# KiCad board poly_kb_molecule_16x5.kicad_pcb (continued)
## Routing (per net, layer and track width the routed paths; a pad name or vN(x,y) marks a point on that pad's centre or on a via; arc(x,y) is an arc through that point) (continued)
  Bottom w1.5: J6#40.6 J5#73.6 ; J6#53.6 J5#12.6 ; J6#31.6 J5#22.6 ; J6#18.6 J5#74.6 ; J6#42.6 J5#64.6 ; J6#24.6 J5#63.6 ; J6#61.6 J5#14.6 ; J6#69.6 J5#13.6 ; J6#13.6 J5#44.6 ; J6#10.6 J5#66.6 ; J6#11.6 J5#26.6 ; J6#7.6 J5#35.6 ; J6#36.6 J5#17.6 ; J6#14.6 J5#42.6 ; J6#58.6 J5#55.6 ; J6#57.6 J5#6.6 ; J6#46.6 J5#39.6 ; J6#2.6 J5#24.6 ; J6.6 J5#65.6 ; J6#4.6 J5#51.6 ; J6#65.6 J5#32.6 ; J6#22.6 J5#47.6 ; J6#20.6 J5#8.6 ; J6#41.6 J5#75.6 ; J6#23.6 J5#29.6 ; J6#37.6 J5#79.6 ; J6#30.6 J5#59.6 ; J6#51.6 J5#50.6 ; J6#74.6 J5#77.6 ; J6#56.6 J5#9.6 ; J6#66.6 J5#28.6 ; J6#35.6 J5#61.6 ; J6#54.6 J5#20.6 ; J6#6.6 J5#3.6 ; J6#25.6 J5#48.6 ; J6#17.6 J5#70.6 ; J6#50.6 J5#54.6 ; J6#67.6 J5#16.6 ; J6#16.6 J5#2.6 ; J6#45.6 J5#36.6 ; J6#68.6 J5#76.6 ; J6#3.6 J5#69.6 ; J6#55.6 J5#11.6 ; J6#38.6 J5#45.6 ; J6#49.6 J5#78.6 ; J6#12.6 J5#80.6 ; J6#28.6 J5#10.6 ; J6#63.6 J5#71.6 ; J6#59.6 J5#21.6 ; J6#19.6 J5#43.6 ; J6#62.6 J5#68.6 ; J6#32.6 J5#19.6 ; J6#26.6 J5#46.6 ; J6#43.6 J5#7.6 ; J6#44.6 J5#56.6 ; J6#39.6 J5#49.6 ; J6#27.6 J5#23.6 ; J6#29.6 J5#41.6 ; J6#72.6 J5#62.6 ; J6#33.6 J5#18.6 ; J6#48.6 J5#31.6 ; J6#71.6 J5#33.6 ; J6#75.6 J5#38.6 ; J6#73.6 J5#30.6 ; J6#52.6 J5#58.6 ; J6#5.6 J5#60.6 ; J6#47.6 J5#37.6 ; J6#60.6 J5#52.6 ; J6#70.6 J5#27.6 ; J6#64.6 J5#15.6
CS6: length 1679.9
  Top w0.254: v1(61.33,61.59) 61.26,61.67 59.83,61.67 v1(59.65,61.85) ; v1(175.63,23.49) 175.56,23.57 174.13,23.57 v1(173.95,23.75) ; v1(80.38,4.44) 80.31,4.52 78.88,4.52 v1(78.7,4.7) ; v1(175.63,61.59) 175.56,61.67 174.13,61.67 v1(173.95,61.85) ; v1(80.38,61.59) 80.31,61.67 78.88,61.67 v1(78.7,61.85) ; v1(23.23,80.64) 23.16,80.72 21.73,80.72 v1(21.55,80.9) ; v1(154.9,42.8) 155.08,42.62 156.51,42.62 v1(156.58,42.55) ; v1(59.65,80.9) 59.83,80.72 61.26,80.72 v1(61.33,80.64) ; v1(97.75,4.7) 97.93,4.52 99.36,4.52 v1(99.43,4.44) ; v1(231.1,4.7) 231.28,4.52 232.71,4.52 v1(232.78,4.44) ; v1(213.73,61.59) 213.66,61.67 212.23,61.67 v1(212.05,61.85) ; v1(116.8,42.8) 116.98,42.62 118.41,42.62 v1(118.48,42.55) ; v1(288.25,80.9) 288.43,80.72 289.86,80.72 v1(289.93,80.64) ; v1(270.88,61.59) 270.81,61.67 269.38,61.67 v1(269.2,61.85) ; v1(42.28,61.59) 42.21,61.67 40.78,61.67 v1(40.6,61.85) ; v1(21.55,23.75) 21.73,23.57 23.16,23.57 v1(23.23,23.49) ; v1(61.33,42.55) 61.26,42.62 59.83,42.62 v1(59.65,42.8) ; v1(40.6,4.7) 40.78,4.52 42.21,4.52 v1(42.28,4.44) ; v1(2.5,4.7) 2.68,4.52 4.11,4.52 v1(4.18,4.44) ; v1(250.15,23.75) 250.33,23.57 251.76,23.57 v1(251.83,23.49) ; v1(61.33,23.49) 61.26,23.57 59.83,23.57 v1(59.65,23.75) ; v1(154.9,4.7) 155.08,4.52 156.51,4.52 v1(156.58,4.44) ; v1(288.25,61.85) 288.43,61.67 289.86,61.67 v1(289.93,61.59) ; v1(251.83,42.55) 251.76,42.62 250.33,42.62 v1(250.15,42.8) ; v1(288.25,23.75) 288.43,23.57 289.86,23.57 v1(289.93,23.49) ; v1(154.9,80.9) 155.08,80.72 156.51,80.72 v1(156.58,80.64) ; v1(289.93,4.44) 289.86,4.52 288.43,4.52 v1(288.25,4.7) ; v1(118.48,4.44) 118.41,4.52 116.98,4.52 v1(116.8,4.7) ; v1(173.95,4.7) 174.13,4.52 175.56,4.52 v1(175.63,4.44) ; v1(23.23,4.44) 23.16,4.52 21.73,4.52 v1(21.55,4.7) ; v1(2.5,23.75) 2.68,23.57 4.11,23.57 v1(4.18,23.49) ; v1(173.95,80.9) 174.13,80.72 175.56,80.72 v1(175.63,80.64) ; v1(156.58,61.59) 156.51,61.67 155.08,61.67 v1(154.9,61.85) ; v1(80.38,42.55) 80.31,42.62 78.88,42.62 v1(78.7,42.8) ; v1(270.88,4.44) 270.81,4.52 269.38,4.52 v1(269.2,4.7) ; v1(2.5,61.85) 2.68,61.67 4.11,61.67 v1(4.18,61.59) ; v1(232.78,61.59) 232.71,61.67 231.28,61.67 v1(231.1,61.85) ; v1(232.78,80.64) 232.71,80.72 231.28,80.72 v1(231.1,80.9) ; v1(40.6,80.9) 40.78,80.72 42.21,80.72 v1(42.28,80.64) ; v1(118.48,61.59) 118.41,61.67 116.98,61.67 v1(116.8,61.85) ; v1(97.75,42.8) 97.93,42.62 99.36,42.62 v1(99.43,42.55) ; v1(194.68,61.59) 194.61,61.67 193.18,61.67 v1(193,61.85) ; v1(193,80.9) 193.18,80.72 194.61,80.72 v1(194.68,80.64) ; v1(116.8,23.75) 116.98,23.57 118.41,23.57 v1(118.48,23.49) ; v1(193,4.7) 193.18,4.52 194.61,4.52 v1(194.68,4.44) ; v1(116.8,80.9) 116.98,80.72 118.41,80.72 v1(118.48,80.64) ; v1(232.78,42.55) 232.71,42.62 231.28,42.62 v1(231.1,42.8) ; v1(269.2,23.75) 269.38,23.57 270.81,23.57 v1(270.88,23.49) ; v1(4.18,80.64) 4.11,80.72 2.68,80.72 v1(2.5,80.9) ; v1(213.73,4.44) 213.66,4.52 212.23,4.52 v1(212.05,4.7) ; v1(213.73,80.64) 213.66,80.72 212.23,80.72 v1(212.05,80.9) ; v1(4.18,42.55) 4.11,42.62 2.68,42.62 v1(2.5,42.8) ; v1(251.83,61.59) 251.76,61.67 250.33,61.67 v1(250.15,61.85) ; v1(21.55,61.85) 21.73,61.67 23.16,61.67 v1(23.23,61.59) ; v1(61.33,4.44) 61.26,4.52 59.83,4.52 v1(59.65,4.7) ; v1(251.83,80.64) 251.76,80.72 250.33,80.72 v1(250.15,80.9) ; v1(231.1,23.75) 231.28,23.57 232.71,23.57 v1(232.78,23.49) ; v1(288.25,42.8) 288.43,42.62 289.86,42.62 v1(289.93,42.55) ; v1(23.23,42.55) 23.16,42.62 21.73,42.62 v1(21.55,42.8) ; v1(175.63,42.55) 175.56,42.62 174.13,42.62 v1(173.95,42.8) ; v1(251.83,4.44) 251.76,4.52 250.33,4.52 v1(250.15,4.7) ; v1(99.43,80.64) 99.36,80.72 97.93,80.72 v1(97.75,80.9) ; v1(97.75,61.85) 97.93,61.67 99.36,61.67 v1(99.43,61.59) ; v1(270.88,42.55) 270.81,42.62 269.38,42.62 v1(269.2,42.8) ; v1(213.73,42.55) 213.66,42.62 212.23,42.62 v1(212.05,42.8) ; v1(270.88,80.64) 270.81,80.72 269.38,80.72 v1(269.2,80.9) ; v1(213.73,23.49) 213.66,23.57 212.23,23.57 v1(212.05,23.75) ; v1(194.68,42.55) 194.61,42.62 193.18,42.62 v1(193,42.8) ; v1(40.6,23.75) 40.78,23.57 42.21,23.57 v1(42.28,23.49) ; v1(194.68,23.49) 194.61,23.57 193.18,23.57 v1(193,23.75) ; v1(99.43,23.49) 99.36,23.57 97.93,23.57 v1(97.75,23.75) ; v1(80.38,80.64) 80.31,80.72 78.88,80.72 v1(78.7,80.9) ; v1(154.9,23.75) 155.08,23.57 156.51,23.57 v1(156.58,23.49) ; v1(80.38,23.49) 80.31,23.57 78.88,23.57 v1(78.7,23.75) ; v1(42.28,42.55) 42.21,42.62 40.78,42.62 v1(40.6,42.8)
  Bottom w0.254: 170.18,24.58 168.89,23.29 168.27,23.29 167.58,23.98 167.58,25.14 167.55,25.17 167.55,25.47 167.01,26.01 166.15,26.01 165.48,25.34 165.48,24.56 164.95,24.03 159.18,24.03 159.03,23.88 157.56,23.88 157.46,23.79 157.45,23.79 157.4,23.74 157.16,23.74 156.91,23.49 v1(156.58,23.49) ; 227.33,62.67 226.04,61.39 225.42,61.39 224.73,62.08 224.73,63.24 224.7,63.27 224.7,63.57 224.16,64.11 223.3,64.11 222.63,63.44 222.63,62.66 222.1,62.13 216.33,62.13 216.18,61.98 214.71,61.98 214.61,61.89 214.6,61.89 214.55,61.84 214.31,61.84 214.06,61.59 v1(213.73,61.59) ; v1(270.88,4.44) 271.21,4.44 271.46,4.69 271.7,4.69 271.75,4.74 271.76,4.74 271.86,4.83 273.33,4.83 273.48,4.98 279.25,4.98 279.78,5.51 279.78,6.29 280.45,6.96 281.31,6.96 281.85,6.42 281.85,6.12 281.88,6.09 281.88,4.93 282.57,4.24 283.19,4.24 284.48,5.53 ; v1(250.15,23.75) 249.75,23.75 248.92,24.58 ; v1(269.2,80.9) 268.8,80.9 267.97,81.72 ; 153.67,62.67 154.5,61.85 v1(154.9,61.85) ; 227.33,24.58 226.04,23.29 225.42,23.29 224.73,23.98 224.73,25.14 224.7,25.17 224.7,25.47 224.16,26.01 223.3,26.01 222.63,25.34 222.63,24.56 222.1,24.03 216.33,24.03 216.18,23.88 214.71,23.88 214.61,23.79 214.6,23.79 214.55,23.74 214.31,23.74 214.06,23.49 v1(213.73,23.49) ; 284.48,24.58 283.19,23.29 282.57,23.29 281.88,23.98 281.88,25.14 281.85,25.17 281.85,25.47 281.31,26.01 280.45,26.01 279.78,25.34 279.78,24.56 279.25,24.03 273.48,24.03 273.33,23.88 271.86,23.88 271.76,23.79 271.75,23.79 271.7,23.74 271.46,23.74 271.21,23.49 v1(270.88,23.49) ; v1(250.15,80.9) 249.75,80.9 248.92,81.72 ; 287.02,81.72 287.84,80.9 v1(288.25,80.9) ; 115.57,5.53 116.4,4.7 v1(116.8,4.7) ; v1(251.83,23.49) 252.16,23.49 252.41,23.74 252.65,23.74 252.7,23.79 252.71,23.79 252.81,23.88 254.28,23.88 254.43,24.03 260.2,24.03 260.73,24.56 260.73,25.34 261.4,26.01 262.26,26.01 262.8,25.47 262.8,25.17 262.83,25.14 262.83,23.98 263.52,23.29 264.14,23.29 265.43,24.58 ; v1(231.1,80.9) 230.69,80.9 229.87,81.72 ; 36.83,62.67 35.54,61.39 34.92,61.39 34.23,62.08 34.23,63.24 34.2,63.27 34.2,63.57 33.66,64.11 32.8,64.11 32.13,63.44 32.13,62.66 31.6,62.13 25.83,62.13 25.68,61.98 24.21,61.98 24.11,61.89 24.1,61.89 24.05,61.84 23.81,61.84 23.56,61.59 v1(23.23,61.59) ; 77.47,43.62 78.3,42.8 v1(78.7,42.8) ; v1(251.83,80.64) 252.16,80.64 252.41,80.89 252.65,80.89 252.7,80.94 252.71,80.94 252.81,81.03 254.28,81.03 254.43,81.18 260.2,81.18 260.73,81.71 260.73,82.49 261.4,83.16 262.26,83.16 262.8,82.62 262.8,82.32 262.83,82.29 262.83,81.13 263.52,80.44 264.14,80.44 265.43,81.72 ; 115.57,43.62 116.4,42.8 v1(116.8,42.8) ; 170.18,43.62 168.89,42.34 168.27,42.34 167.58,43.03 167.58,44.19 167.55,44.22 167.55,44.52 167.01,45.06 166.15,45.06 165.48,44.39 165.48,43.61 164.95,43.08 159.18,43.08 159.03,42.93 157.56,42.93 157.46,42.84 157.45,42.84 157.4,42.79 157.16,42.79 156.91,42.55 v1(156.58,42.55) ; v1(231.1,42.8) 230.69,42.8 229.87,43.62 ; v1(289.93,4.44) 290.26,4.44 290.51,4.69 290.75,4.69 290.8,4.74 290.81,4.74 290.91,4.83 292.38,4.83 292.53,4.98 298.3,4.98 298.83,5.51 298.83,6.29 299.5,6.96 300.36,6.96 300.9,6.42 300.9,6.12 300.93,6.09 300.93,4.93 301.62,4.24 302.24,4.24 303.53,5.53 ; v1(154.9,80.9) 154.5,80.9 153.67,81.72 ; 96.52,24.58 97.34,23.75 v1(97.75,23.75) ; v1(61.33,42.55) 61.66,42.55 61.91,42.79 62.15,42.79 62.2,42.84 62.21,42.84 62.31,42.93 63.78,42.93 63.93,43.08 69.7,43.08 70.23,43.61 70.23,44.39 70.9,45.06 71.76,45.06 72.3,44.52 72.3,44.22 72.33,44.19 72.33,43.03 73.02,42.34 73.64,42.34 74.93,43.62 ; v1(21.55,42.8) 21.14,42.8 20.32,43.62 ; v1(251.83,42.55) 252.16,42.55 252.41,42.79 252.65,42.79 252.7,42.84 252.71,42.84 252.81,42.93 254.28,42.93 254.43,43.08 260.2,43.08 260.73,43.61 260.73,44.39 261.4,45.06 262.26,45.06 262.8,44.52 262.8,44.22 262.83,44.19 262.83,43.03 263.52,42.34 264.14,42.34 265.43,43.62 ; v1(289.93,42.55) 290.26,42.55 290.51,42.79 290.75,42.79 290.8,42.84 290.81,42.84 290.91,42.93 292.38,42.93 292.53,43.08 298.3,43.08 298.83,43.61 298.83,44.39 299.5,45.06 300.36,45.06 300.9,44.52 300.9,44.22 300.93,44.19 300.93,43.03 301.62,42.34 302.24,42.34 303.53,43.62 ; v1(269.2,4.7) 268.8,4.7 267.97,5.53 ; v1(193,4.7) 192.59,4.7 191.77,5.53 ; 36.83,5.53 35.54,4.24 34.92,4.24 34.23,4.93 34.23,6.09 34.2,6.12 34.2,6.42 33.66,6.96 32.8,6.96 32.13,6.29 32.13,5.51 31.6,4.98 25.83,4.98 25.68,4.83 24.21,4.83 24.11,4.74 24.1,4.74 24.05,4.69 23.81,4.69 23.56,4.44 v1(23.23,4.44) ; 17.78,5.53 16.49,4.24 15.87,4.24 15.18,4.93 15.18,6.09 15.15,6.12 15.15,6.42 14.61,6.96 13.75,6.96 13.08,6.29 13.08,5.51 12.55,4.98 6.78,4.98 6.63,4.83 5.16,4.83 5.06,4.74 5.05,4.74 5,4.69 4.76,4.69 4.51,4.44 v1(4.18,4.44) ; v1(270.88,42.55) 271.21,42.55 271.46,42.79 271.7,42.79 271.75,42.84 271.76,42.84 271.86,42.93 273.33,42.93 273.48,43.08 279.25,43.08 279.78,43.61 279.78,44.39 280.45,45.06 281.31,45.06 281.85,44.52 281.85,44.22 281.88,44.19 281.88,43.03 282.57,42.34 283.19,42.34 284.48,43.62 ; v1(118.48,42.55) 118.81,42.55 119.06,42.79 119.3,42.79 119.35,42.84 119.36,42.84 119.46,42.93 120.93,42.93 121.08,43.08 126.85,43.08 127.38,43.61 127.38,44.39 128.05,45.06 128.91,45.06 129.45,44.52 129.45,44.22 129.48,44.19 129.48,43.03 130.17,42.34 130.79,42.34 132.08,43.62 ; v1(21.55,80.9) 21.14,80.9 20.32,81.72 ; 77.47,81.72 78.3,80.9 v1(78.7,80.9) ; v1(80.38,23.49) 80.71,23.49 80.96,23.74 81.2,23.74 81.25,23.79 81.26,23.79 81.36,23.88 82.83,23.88 82.98,24.03 88.75,24.03 89.28,24.56 89.28,25.34 89.95,26.01 90.81,26.01 91.35,25.47 91.35,25.17 91.38,25.14 91.38,23.98 92.07,23.29 92.69,23.29 93.98,24.58 ; v1(40.6,61.85) 40.19,61.85 39.37,62.67 ; 132.08,81.72 130.79,80.44 130.17,80.44 129.48,81.13 129.48,82.29 129.45,82.32 129.45,82.62 128.91,83.16 128.05,83.16 127.38,82.49 127.38,81.71 126.85,81.18 121.08,81.18 120.93,81.03 119.46,81.03 119.36,80.94 119.35,80.94 119.3,80.89 119.06,80.89 118.81,80.64 v1(118.48,80.64) ; v1(251.83,4.44) 252.16,4.44 252.41,4.69 252.65,4.69 252.7,4.74 252.71,4.74 252.81,4.83 254.28,4.83 254.43,4.98 260.2,4.98 260.73,5.51 260.73,6.29 261.4,6.96 262.26,6.96 262.8,6.42 262.8,6.12 262.83,6.09 262.83,4.93 263.52,4.24 264.14,4.24 265.43,5.53 ; 96.52,43.62 97.34,42.8 v1(97.75,42.8) ; 58.42,62.67 59.25,61.85 v1(59.65,61.85) ; v1(175.63,23.49) 175.96,23.49 176.21,23.74 176.45,23.74 176.5,23.79 176.51,23.79 176.61,23.88 178.08,23.88 178.23,24.03 184,24.03 184.53,24.56 184.53,25.34 185.2,26.01 186.06,26.01 186.6,25.47 186.6,25.17 186.63,25.14 186.63,23.98 187.32,23.29 187.94,23.29 189.23,24.58 ; v1(173.95,80.9) 173.54,80.9 172.72,81.72 ; v1(289.93,80.64) 290.26,80.64 290.51,80.89 290.75,80.89 290.8,80.94 290.81,80.94 290.91,81.03 292.38,81.03 292.53,81.18 298.3,81.18 298.83,81.71 298.83,82.49 299.5,83.16 300.36,83.16 300.9,82.62 300.9,82.32 300.93,82.29 300.93,81.13 301.62,80.44 302.24,80.44 303.53,81.72 ; 1.27,43.62 2.09,42.8 v1(2.5,42.8) ; v1(193,42.8) 192.59,42.8 191.77,43.62 ; v1(78.7,4.7) 78.3,4.7 77.47,5.53 ; 17.78,62.67 16.49,61.39 15.87,61.39 15.18,62.08 15.18,63.24 15.15,63.27 15.15,63.57 14.61,64.11 13.75,64.11 13.08,63.44 13.08,62.66 12.55,62.13 6.78,62.13 6.63,61.98 5.16,61.98 5.06,61.89 5.05,61.89 5,61.84 4.76,61.84 4.51,61.59 v1(4.18,61.59) ; 93.98,62.67 92.69,61.39 92.07,61.39 91.38,62.08 91.38,63.24 91.35,63.27 91.35,63.57 90.81,64.11 89.95,64.11 89.28,63.44 89.28,62.66 88.75,62.13 82.98,62.13 82.83,61.98 81.36,61.98 81.26,61.89 81.25,61.89 81.2,61.84 80.96,61.84 80.71,61.59 v1(80.38,61.59) ; 170.18,5.53 168.89,4.24 168.27,4.24 167.58,4.93 167.58,6.09 167.55,6.12 167.55,6.42 167.01,6.96 166.15,6.96 165.48,6.29 165.48,5.51 164.95,4.98 159.18,4.98 159.03,4.83 157.56,4.83 157.46,4.74 157.45,4.74 157.4,4.69 157.16,4.69 156.91,4.44 v1(156.58,4.44) ; 170.18,81.72 168.89,80.44 168.27,80.44 167.58,81.13 167.58,82.29 167.55,82.32 167.55,82.62 167.01,83.16 166.15,83.16 165.48,82.49 165.48,81.71 164.95,81.18 159.18,81.18 159.03,81.03 157.56,81.03 157.46,80.94 157.45,80.94 157.4,80.89 157.16,80.89 156.91,80.64 v1(156.58,80.64) ; v1(193,80.9) 192.59,80.9 191.77,81.72 ; 229.87,5.53 230.69,4.7 v1(231.1,4.7) ; 303.53,24.58 302.24,23.29 301.62,23.29 300.93,23.98 300.93,25.14 300.9,25.17 300.9,25.47 300.36,26.01 299.5,26.01 298.83,25.34 298.83,24.56 298.3,24.03 292.53,24.03 292.38,23.88 290.91,23.88 290.81,23.79 290.8,23.79 290.75,23.74 290.51,23.74 290.26,23.49 v1(289.93,23.49) ; 227.33,81.72 226.04,80.44 225.42,80.44 224.73,81.13 224.73,82.29 224.7,82.32 224.7,82.62 224.16,83.16 223.3,83.16 222.63,82.49 222.63,81.71 222.1,81.18 216.33,81.18 216.18,81.03 214.71,81.03 214.61,80.94 214.6,80.94 214.55,80.89 214.31,80.89 214.06,80.64 v1(213.73,80.64) ; 189.23,5.53 187.94,4.24 187.32,4.24 186.63,4.93 186.63,6.09 186.6,6.12 186.6,6.42 186.06,6.96 185.2,6.96 184.53,6.29 184.53,5.51 184,4.98 178.23,4.98 178.08,4.83 176.61,4.83 176.51,4.74 176.5,4.74 176.45,4.69 176.21,4.69 175.96,4.44 v1(175.63,4.44) ; v1(99.43,23.49) 99.76,23.49 100.01,23.74 100.25,23.74 100.3,23.79 100.31,23.79 100.41,23.88 101.88,23.88 102.03,24.03 107.8,24.03 108.33,24.56 108.33,25.34 109,26.01 109.86,26.01 110.4,25.47 110.4,25.17 110.43,25.14 110.43,23.98 111.12,23.29 111.74,23.29 113.03,24.58 ; 39.37,24.58 40.19,23.75 v1(40.6,23.75) ; 172.72,24.58 173.54,23.75 v1(173.95,23.75) ; 55.88,43.62 54.59,42.34 53.97,42.34 53.28,43.03 53.28,44.19 53.25,44.22 53.25,44.52 52.71,45.06 51.85,45.06 51.18,44.39 51.18,43.61 50.65,43.08 44.88,43.08 44.73,42.93 43.26,42.93 43.16,42.84 43.15,42.84 43.1,42.79 42.86,42.79 42.61,42.55 v1(42.28,42.55) ; 93.98,43.62 92.69,42.34 92.07,42.34 91.38,43.03 91.38,44.19 91.35,44.22 91.35,44.52 90.81,45.06 89.95,45.06 89.28,44.39 89.28,43.61 88.75,43.08 82.98,43.08 82.83,42.93 81.36,42.93 81.26,42.84 81.25,42.84 81.2,42.79 80.96,42.79 80.71,42.55 v1(80.38,42.55) ; v1(61.33,61.59) 61.66,61.59 61.91,61.84 62.15,61.84 62.2,61.89 62.21,61.89 62.31,61.98 63.78,61.98 63.93,62.13 69.7,62.13 70.23,62.66 70.23,63.44 70.9,64.11 71.76,64.11 72.3,63.57 72.3,63.27 72.33,63.24 72.33,62.08 73.02,61.39 73.64,61.39 74.93,62.67 ; 229.87,24.58 230.69,23.75 v1(231.1,23.75) ; v1(288.25,23.75) 287.84,23.75 287.02,24.58 ; 132.08,24.58 130.79,23.29 130.17,23.29 129.48,23.98 129.48,25.14 129.45,25.17 129.45,25.47 128.91,26.01 128.05,26.01 127.38,25.34 127.38,24.56 126.85,24.03 121.08,24.03 120.93,23.88 119.46,23.88 119.36,23.79 119.35,23.79 119.3,23.74 119.06,23.74 118.81,23.49 v1(118.48,23.49) ; v1(193,61.85) 192.59,61.85 191.77,62.67 ; v1(61.33,4.44) 61.66,4.44 61.91,4.69 62.15,4.69 62.2,4.74 62.21,4.74 62.31,4.83 63.78,4.83 63.93,4.98 69.7,4.98 70.23,5.51 70.23,6.29 70.9,6.96 71.76,6.96 72.3,6.42 72.3,6.12 72.33,6.09 72.33,4.93 73.02,4.24 73.64,4.24 74.93,5.53 ; v1(116.8,61.85) 116.4,61.85 115.57,62.67 ; 96.52,5.53 97.34,4.7 v1(97.75,4.7) ; 20.32,5.53 21.14,4.7 v1(21.55,4.7) ; v1(194.68,42.55) 195.01,42.55 195.26,42.79 195.5,42.79 195.55,42.84 195.56,42.84 195.66,42.93 197.13,42.93 197.28,43.08 203.05,43.08 203.58,43.61 203.58,44.39 204.25,45.06 205.11,45.06 205.65,44.52 205.65,44.22 205.68,44.19 205.68,43.03 206.37,42.34 206.99,42.34 208.28,43.62 ; 113.03,5.53 111.74,4.24 111.12,4.24 110.43,4.93 110.43,6.09 110.4,6.12 110.4,6.42 109.86,6.96 109,6.96 108.33,6.29 108.33,5.51 107.8,4.98 102.03,4.98 101.88,4.83 100.41,4.83 100.31,4.74 100.3,4.74 100.25,4.69 100.01,4.69 99.76,4.44 v1(99.43,4.44) ; 74.93,81.72 73.64,80.44 73.02,80.44 72.33,81.13 72.33,82.29 72.3,82.32 72.3,82.62 71.76,83.16 70.9,83.16 70.23,82.49 70.23,81.71 69.7,81.18 63.93,81.18 63.78,81.03 62.31,81.03 62.21,80.94 62.2,80.94 62.15,80.89 61.91,80.89 61.66,80.64 v1(61.33,80.64) ; 132.08,62.67 130.79,61.39 130.17,61.39 129.48,62.08 129.48,63.24 129.45,63.27 129.45,63.57 128.91,64.11 128.05,64.11 127.38,63.44 127.38,62.66 126.85,62.13 121.08,62.13 120.93,61.98 119.46,61.98 119.36,61.89 119.35,61.89 119.3,61.84 119.06,61.84 118.81,61.59 v1(118.48,61.59) ; v1(154.9,4.7) 154.5,4.7 153.67,5.53 ; 93.98,81.72 92.69,80.44 92.07,80.44 91.38,81.13 91.38,82.29 91.35,82.32 91.35,82.62 90.81,83.16 89.95,83.16 89.28,82.49 89.28,81.71 88.75,81.18 82.98,81.18 82.83,81.03 81.36,81.03 81.26,80.94 81.25,80.94 81.2,80.89 80.96,80.89 80.71,80.64 v1(80.38,80.64) ; v1(194.68,80.64) 195.01,80.64 195.26,80.89 195.5,80.89 195.55,80.94 195.56,80.94 195.66,81.03 197.13,81.03 197.28,81.18 203.05,81.18 203.58,81.71 203.58,82.49 204.25,83.16 205.11,83.16 205.65,82.62 205.65,82.32 205.68,82.29 205.68,81.13 206.37,80.44 206.99,80.44 208.28,81.72 ; 227.33,43.62 226.04,42.34 225.42,42.34 224.73,43.03 224.73,44.19 224.7,44.22 224.7,44.52 224.16,45.06 223.3,45.06 222.63,44.39 222.63,43.61 222.1,43.08 216.33,43.08 216.18,42.93 214.71,42.93 214.61,42.84 214.6,42.84 214.55,42.79 214.31,42.79 214.06,42.55 v1(213.73,42.55) ; 74.93,24.58 73.64,23.29 73.02,23.29 72.33,23.98 72.33,25.14 72.3,25.17 72.3,25.47 71.76,26.01 70.9,26.01 70.23,25.34 70.23,24.56 69.7,24.03 63.93,24.03 63.78,23.88 62.31,23.88 62.21,23.79 62.2,23.79 62.15,23.74 61.91,23.74 61.66,23.49 v1(61.33,23.49) ; v1(154.9,42.8) 154.5,42.8 153.67,43.62 ; 55.88,24.58 54.59,23.29 53.97,23.29 53.28,23.98 53.28,25.14 53.25,25.17 53.25,25.47 52.71,26.01 51.85,26.01 51.18,25.34 51.18,24.56 50.65,24.03 44.88,24.03 44.73,23.88 43.26,23.88 43.16,23.79 43.15,23.79 43.1,23.74 42.86,23.74 42.61,23.49 v1(42.28,23.49) ; 248.92,43.62 249.75,42.8 v1(250.15,42.8) ; v1(99.43,42.55) 99.76,42.55 100.01,42.79 100.25,42.79 100.3,42.84 100.31,42.84 100.41,42.93 101.88,42.93 102.03,43.08 107.8,43.08 108.33,43.61 108.33,44.39 109,45.06 109.86,45.06 110.4,44.52 110.4,44.22 110.43,44.19 110.43,43.03 111.12,42.34 111.74,42.34 113.03,43.62 ; v1(250.15,4.7) 249.75,4.7 248.92,5.53 ; 1.27,62.67 2.09,61.85 v1(2.5,61.85) ; 227.33,5.53 226.04,4.24 225.42,4.24 224.73,4.93 224.73,6.09 224.7,6.12 224.7,6.42 224.16,6.96 223.3,6.96 222.63,6.29 222.63,5.51 222.1,4.98 216.33,4.98 216.18,4.83 214.71,4.83 214.61,4.74 214.6,4.74 214.55,4.69 214.31,4.69 214.06,4.44 v1(213.73,4.44) ; v1(288.25,4.7) 287.84,4.7 287.02,5.53 ; v1(232.78,42.55) 233.11,42.55 233.36,42.79 233.6,42.79 233.65,42.84 233.66,42.84 233.76,42.93 235.23,42.93 235.38,43.08 241.15,43.08 241.68,43.61 241.68,44.39 242.35,45.06 243.21,45.06 243.75,44.52 243.75,44.22 243.78,44.19 243.78,43.03 244.47,42.34 245.09,42.34 246.38,43.62 ; v1(40.6,42.8) 40.19,42.8 39.37,43.62 ; v1(118.48,4.44) 118.81,4.44 119.06,4.69 119.3,4.69 119.35,4.74 119.36,4.74 119.46,4.83 120.93,4.83 121.08,4.98 126.85,4.98 127.38,5.51 127.38,6.29 128.05,6.96 128.91,6.96 129.45,6.42 129.45,6.12 129.48,6.09 129.48,4.93 130.17,4.24 130.79,4.24 132.08,5.53 ; 172.72,5.53 173.54,4.7 v1(173.95,4.7) ; v1(269.2,61.85) 268.8,61.85 267.97,62.67 ; v1(2.5,80.9) 2.09,80.9 1.27,81.72 ; v1(97.75,80.9) 97.34,80.9 96.52,81.72 ; v1(288.25,42.8) 287.84,42.8 287.02,43.62 ; 284.48,62.67 283.19,61.39 282.57,61.39 281.88,62.08 281.88,63.24 281.85,63.27 281.85,63.57 281.31,64.11 280.45,64.11 279.78,63.44 279.78,62.66 279.25,62.13 273.48,62.13 273.33,61.98 271.86,61.98 271.76,61.89 271.75,61.89 271.7,61.84 271.46,61.84 271.21,61.59 v1(270.88,61.59) ; 96.52,62.67 97.34,61.85 v1(97.75,61.85) ; 58.42,43.62 59.25,42.8 v1(59.65,42.8) ; v1(99.43,61.59) 99.76,61.59 100.01,61.84 100.25,61.84 100.3,61.89 100.31,61.89 100.41,61.98 101.88,61.98 102.03,62.13 107.8,62.13 108.33,62.66 108.33,63.44 109,64.11 109.86,64.11 110.4,63.57 110.4,63.27 110.43,63.24 110.43,62.08 111.12,61.39 111.74,61.39 113.03,62.67 ; v1(21.55,61.85) 21.14,61.85 20.32,62.67 ; v1(80.38,4.44) 80.71,4.44 80.96,4.69 81.2,4.69 81.25,4.74 81.26,4.74 81.36,4.83 82.83,4.83 82.98,4.98 88.75,4.98 89.28,5.51 89.28,6.29 89.95,6.96 90.81,6.96 91.35,6.42 91.35,6.12 91.38,6.09 91.38,4.93 92.07,4.24 92.69,4.24 93.98,5.53 ; v1(212.05,80.9) 211.65,80.9 210.82,81.72 ; 172.72,62.67 173.54,61.85 v1(173.95,61.85) ; v1(116.8,23.75) 116.4,23.75 115.57,24.58 ; 267.97,43.62 268.8,42.8 v1(269.2,42.8) ; v1(21.55,23.75) 21.14,23.75 20.32,24.58 ; v1(232.78,80.64) 233.11,80.64 233.36,80.89 233.6,80.89 233.65,80.94 233.66,80.94 233.76,81.03 235.23,81.03 235.38,81.18 241.15,81.18 241.68,81.71 241.68,82.49 242.35,83.16 243.21,83.16 243.75,82.62 243.75,82.32 243.78,82.29 243.78,81.13 244.47,80.44 245.09,80.44 246.38,81.72 ; v1(212.05,42.8) 211.65,42.8 210.82,43.62 ; v1(154.9,23.75) 154.5,23.75 153.67,24.58 ; v1(193,23.75) 192.59,23.75 191.77,24.58 ; v1(42.28,80.64) 42.61,80.64 42.86,80.89 43.1,80.89 43.15,80.94 43.16,80.94 43.26,81.03 44.73,81.03 44.88,81.18 50.65,81.18 51.18,81.71 51.18,82.49 51.85,83.16 52.71,83.16 53.25,82.62 53.25,82.32 53.28,82.29 53.28,81.13 53.97,80.44 54.59,80.44 55.88,81.72 ; 55.88,62.67 54.59,61.39 53.97,61.39 53.28,62.08 53.28,63.24 53.25,63.27 53.25,63.57 52.71,64.11 51.85,64.11 51.18,63.44 51.18,62.66 50.65,62.13 44.88,62.13 44.73,61.98 43.26,61.98 43.16,61.89 43.15,61.89 43.1,61.84 42.86,61.84 42.61,61.59 v1(42.28,61.59) ; v1(175.63,42.55) 175.96,42.55 176.21,42.79 176.45,42.79 176.5,42.84 176.51,42.84 176.61,42.93 178.08,42.93 178.23,43.08 184,43.08 184.53,43.61 184.53,44.39 185.2,45.06 186.06,45.06 186.6,44.52 186.6,44.22 186.63,44.19 186.63,43.03 187.32,42.34 187.94,42.34 189.23,43.62 ; v1(78.7,23.75) 78.3,23.75 77.47,24.58 ; 246.38,5.53 245.09,4.24 244.47,4.24 243.78,4.93 243.78,6.09 243.75,6.12 243.75,6.42 243.21,6.96 242.35,6.96 241.68,6.29 241.68,5.51 241.15,4.98 235.38,4.98 235.23,4.83 233.76,4.83 233.66,4.74 233.65,4.74 233.6,4.69 233.36,4.69 233.11,4.44 v1(232.78,4.44) ; 284.48,81.72 283.19,80.44 282.57,80.44 281.88,81.13 281.88,82.29 281.85,82.32 281.85,82.62 281.31,83.16 280.45,83.16 279.78,82.49 279.78,81.71 279.25,81.18 273.48,81.18 273.33,81.03 271.86,81.03 271.76,80.94 271.75,80.94 271.7,80.89 271.46,80.89 271.21,80.64 v1(270.88,80.64) ; 189.23,81.72 187.94,80.44 187.32,80.44 186.63,81.13 186.63,82.29 186.6,82.32 186.6,82.62 186.06,83.16 185.2,83.16 184.53,82.49 184.53,81.71 184,81.18 178.23,81.18 178.08,81.03 176.61,81.03 176.51,80.94 176.5,80.94 176.45,80.89 176.21,80.89 175.96,80.64 v1(175.63,80.64) ; 208.28,24.58 206.99,23.29 206.37,23.29 205.68,23.98 205.68,25.14 205.65,25.17 205.65,25.47 205.11,26.01 204.25,26.01 203.58,25.34 203.58,24.56 203.05,24.03 197.28,24.03 197.13,23.88 195.66,23.88 195.56,23.79 195.55,23.79 195.5,23.74 195.26,23.74 195.01,23.49 v1(194.68,23.49) ; 265.43,62.67 264.14,61.39 263.52,61.39 262.83,62.08 262.83,63.24 262.8,63.27 262.8,63.57 262.26,64.11 261.4,64.11 260.73,63.44 260.73,62.66 260.2,62.13 254.43,62.13 254.28,61.98 252.81,61.98 252.71,61.89 252.7,61.89 252.65,61.84 252.41,61.84 252.16,61.59 v1(251.83,61.59) ; 210.82,24.58 211.65,23.75 v1(212.05,23.75) ; 208.28,5.53 206.99,4.24 206.37,4.24 205.68,4.93 205.68,6.09 205.65,6.12 205.65,6.42 205.11,6.96 204.25,6.96 203.58,6.29 203.58,5.51 203.05,4.98 197.28,4.98 197.13,4.83 195.66,4.83 195.56,4.74 195.55,4.74 195.5,4.69 195.26,4.69 195.01,4.44 v1(194.68,4.44) ; 36.83,24.58 35.54,23.29 34.92,23.29 34.23,23.98 34.23,25.14 34.2,25.17 34.2,25.47 33.66,26.01 32.8,26.01 32.13,25.34 32.13,24.56 31.6,24.03 25.83,24.03 25.68,23.88 24.21,23.88 24.11,23.79 24.1,23.79 24.05,23.74 23.81,23.74 23.56,23.49 v1(23.23,23.49) ; 113.03,81.72 111.74,80.44 111.12,80.44 110.43,81.13 110.43,82.29 110.4,82.32 110.4,82.62 109.86,83.16 109,83.16 108.33,82.49 108.33,81.71 107.8,81.18 102.03,81.18 101.88,81.03 100.41,81.03 100.31,80.94 100.3,80.94 100.25,80.89 100.01,80.89 99.76,80.64 v1(99.43,80.64) ; v1(59.65,4.7) 59.25,4.7 58.42,5.53 ; v1(23.23,80.64) 23.56,80.64 23.81,80.89 24.05,80.89 24.1,80.94 24.11,80.94 24.21,81.03 25.68,81.03 25.83,81.18 31.6,81.18 32.13,81.71 32.13,82.49 32.8,83.16 33.66,83.16 34.2,82.62 34.2,82.32 34.23,82.29 34.23,81.13 34.92,80.44 35.54,80.44 36.83,81.72 ; 248.92,62.67 249.75,61.85 v1(250.15,61.85) ; v1(173.95,42.8) 173.54,42.8 172.72,43.62 ; 39.37,81.72 40.19,80.9 v1(40.6,80.9) ; 17.78,24.58 16.49,23.29 15.87,23.29 15.18,23.98 15.18,25.14 15.15,25.17 15.15,25.47 14.61,26.01 13.75,26.01 13.08,25.34 13.08,24.56 12.55,24.03 6.78,24.03 6.63,23.88 5.16,23.88 5.06,23.79 5.05,23.79 5,23.74 4.76,23.74 4.51,23.49 v1(4.18,23.49) ; v1(23.23,42.55) 23.56,42.55 23.81,42.79 24.05,42.79 24.1,42.84 24.11,42.84 24.21,42.93 25.68,42.93 25.83,43.08 31.6,43.08 32.13,43.61 32.13,44.39 32.8,45.06 33.66,45.06 34.2,44.52 34.2,44.22 34.23,44.19 34.23,43.03 34.92,42.34 35.54,42.34 36.83,43.62 ; v1(231.1,61.85) 230.69,61.85 229.87,62.67 ; v1(288.25,61.85) 287.84,61.85 287.02,62.67 ; 17.78,43.62 16.49,42.34 15.87,42.34 15.18,43.03 15.18,44.19 15.15,44.22 15.15,44.52 14.61,45.06 13.75,45.06 13.08,44.39 13.08,43.61 12.55,43.08 6.78,43.08 6.63,42.93 5.16,42.93 5.06,42.84 5.05,42.84 5,42.79 4.76,42.79 4.51,42.55 v1(4.18,42.55) ; v1(4.18,80.64) 4.51,80.64 4.76,80.89 5,80.89 5.05,80.94 5.06,80.94 5.16,81.03 6.63,81.03 6.78,81.18 12.55,81.18 13.08,81.71 13.08,82.49 13.75,83.16 14.61,83.16 15.15,82.62 15.15,82.32 15.18,82.29 15.18,81.13 15.87,80.44 16.49,80.44 17.78,81.72 ; 55.88,5.53 54.59,4.24 53.97,4.24 53.28,4.93 53.28,6.09 53.25,6.12 53.25,6.42 52.71,6.96 51.85,6.96 51.18,6.29 51.18,5.51 50.65,4.98 44.88,4.98 44.73,4.83 43.26,4.83 43.16,4.74 43.15,4.74 43.1,4.69 42.86,4.69 42.61,4.44 v1(42.28,4.44) ; 210.82,5.53 211.65,4.7 v1(212.05,4.7) ; 189.23,62.67 187.94,61.39 187.32,61.39 186.63,62.08 186.63,63.24 186.6,63.27 186.6,63.57 186.06,64.11 185.2,64.11 184.53,63.44 184.53,62.66 184,62.13 178.23,62.13 178.08,61.98 176.61,61.98 176.51,61.89 176.5,61.89 176.45,61.84 176.21,61.84 175.96,61.59 v1(175.63,61.59) ; v1(59.65,80.9) 59.25,80.9 58.42,81.72 ; v1(78.7,61.85) 78.3,61.85 77.47,62.67 ; 115.57,81.72 116.4,80.9 v1(116.8,80.9) ; v1(194.68,61.59) 195.01,61.59 195.26,61.84 195.5,61.84 195.55,61.89 195.56,61.89 195.66,61.98 197.13,61.98 197.28,62.13 203.05,62.13 203.58,62.66 203.58,63.44 204.25,64.11 205.11,64.11 205.65,63.57 205.65,63.27 205.68,63.24 205.68,62.08 206.37,61.39 206.99,61.39 208.28,62.67 ; v1(212.05,61.85) 211.65,61.85 210.82,62.67 ; 170.18,62.67 168.89,61.39 168.27,61.39 167.58,62.08 167.58,63.24 167.55,63.27 167.55,63.57 167.01,64.11 166.15,64.11 165.48,63.44 165.48,62.66 164.95,62.13 159.18,62.13 159.03,61.98 157.56,61.98 157.46,61.89 157.45,61.89 157.4,61.84 157.16,61.84 156.91,61.59 v1(156.58,61.59) ; v1(269.2,23.75) 268.8,23.75 267.97,24.58 ; 58.42,24.58 59.25,23.75 v1(59.65,23.75) ; v1(2.5,4.7) 2.09,4.7 1.27,5.53 ; 246.38,62.67 245.09,61.39 244.47,61.39 243.78,62.08 243.78,63.24 243.75,63.27 243.75,63.57 243.21,64.11 242.35,64.11 241.68,63.44 241.68,62.66 241.15,62.13 235.38,62.13 235.23,61.98 233.76,61.98 233.66,61.89 233.65,61.89 233.6,61.84 233.36,61.84 233.11,61.59 v1(232.78,61.59) ; 246.38,24.58 245.09,23.29 244.47,23.29 243.78,23.98 243.78,25.14 243.75,25.17 243.75,25.47 243.21,26.01 242.35,26.01 241.68,25.34 241.68,24.56 241.15,24.03 235.38,24.03 235.23,23.88 233.76,23.88 233.66,23.79 233.65,23.79 233.6,23.74 233.36,23.74 233.11,23.49 v1(232.78,23.49) ; v1(2.5,23.75) 2.09,23.75 1.27,24.58 ; 39.37,5.53 40.19,4.7 v1(40.6,4.7) ; v1(289.93,61.59) 290.26,61.59 290.51,61.84 290.75,61.84 290.8,61.89 290.81,61.89 290.91,61.98 292.38,61.98 292.53,62.13 298.3,62.13 298.83,62.66 298.83,63.44 299.5,64.11 300.36,64.11 300.9,63.57 300.9,63.27 300.93,63.24 300.93,62.08 301.62,61.39 302.24,61.39 303.53,62.67
  Bottom w1.5: J6#74.7 J5#77.7 ; J6#2.7 J5#24.7 ; J6#67.7 J5#16.7 ; J6#38.7 J5#45.7 ; J6#3.7 J5#69.7 ; J6#40.7 J5#73.7 ; J6#59.7 J5#21.7 ; J6#68.7 J5#76.7 ; J6#14.7 J5#42.7 ; J6#54.7 J5#20.7 ; J6#66.7 J5#28.7 ; J6#11.7 J5#26.7 ; J6#63.7 J5#71.7 ; J6#70.7 J5#27.7 ; J6#19.7 J5#43.7 ; J6#25.7 J5#48.7 ; J6#41.7 J5#75.7 ; J6#75.7 J5#38.7 ; J6#4.7 J5#51.7 ; J6#13.7 J5#44.7 ; J6#50.7 J5#54.7 ; J6#12.7 J5#80.7 ; J6#46.7 J5#39.7 ; J6#71.7 J5#33.7 ; J6#43.7 J5#7.7 ; J6#61.7 J5#14.7 ; J6#27.7 J5#23.7 ; J6#18.7 J5#74.7 ; J6#56.7 J5#9.7 ; J6#5.7 J5#60.7 ; J6#28.7 J5#10.7 ; J6#30.7 J5#59.7 ; J6#6.7 J5#3.7 ; J6#69.7 J5#13.7 ; J6#52.7 J5#58.7 ; J6#42.7 J5#64.7 ; J6#47.7 J5#37.7 ; J6#33.7 J5#18.7 ; J6#53.7 J5#12.7 ; J6#65.7 J5#32.7 ; J6.7 J5#65.7 ; J6#26.7 J5#46.7 ; J6#39.7 J5#49.7 ; J6#7.7 J5#35.7 ; J6#35.7 J5#61.7 ; J6#62.7 J5#68.7 ; J6#51.7 J5#50.7 ; J6#37.7 J5#79.7 ; J6#23.7 J5#29.7 ; J6#16.7 J5#2.7 ; J6#48.7 J5#31.7 ; J6#36.7 J5#17.7 ; J6#20.7 J5#8.7 ; J6#57.7 J5#6.7 ; J6#31.7 J5#22.7 ; J6#22.7 J5#47.7 ; J6#29.7 J5#41.7 ; J6#45.7 J5#36.7 ; J6#10.7 J5#66.7 ; J6#24.7 J5#63.7 ; J6#55.7 J5#11.7 ; J6#73.7 J5#30.7 ; J6#32.7 J5#19.7 ; J6#58.7 J5#55.7 ; J6#17.7 J5#70.7 ; J6#64.7 J5#15.7 ; J6#60.7 J5#52.7 ; J6#49.7 J5#78.7 ; J6#44.7 J5#56.7 ; J6#72.7 J5#62.7
